# Altium PCB PCB1.PcbDoc (part 1 of 6) (continued)
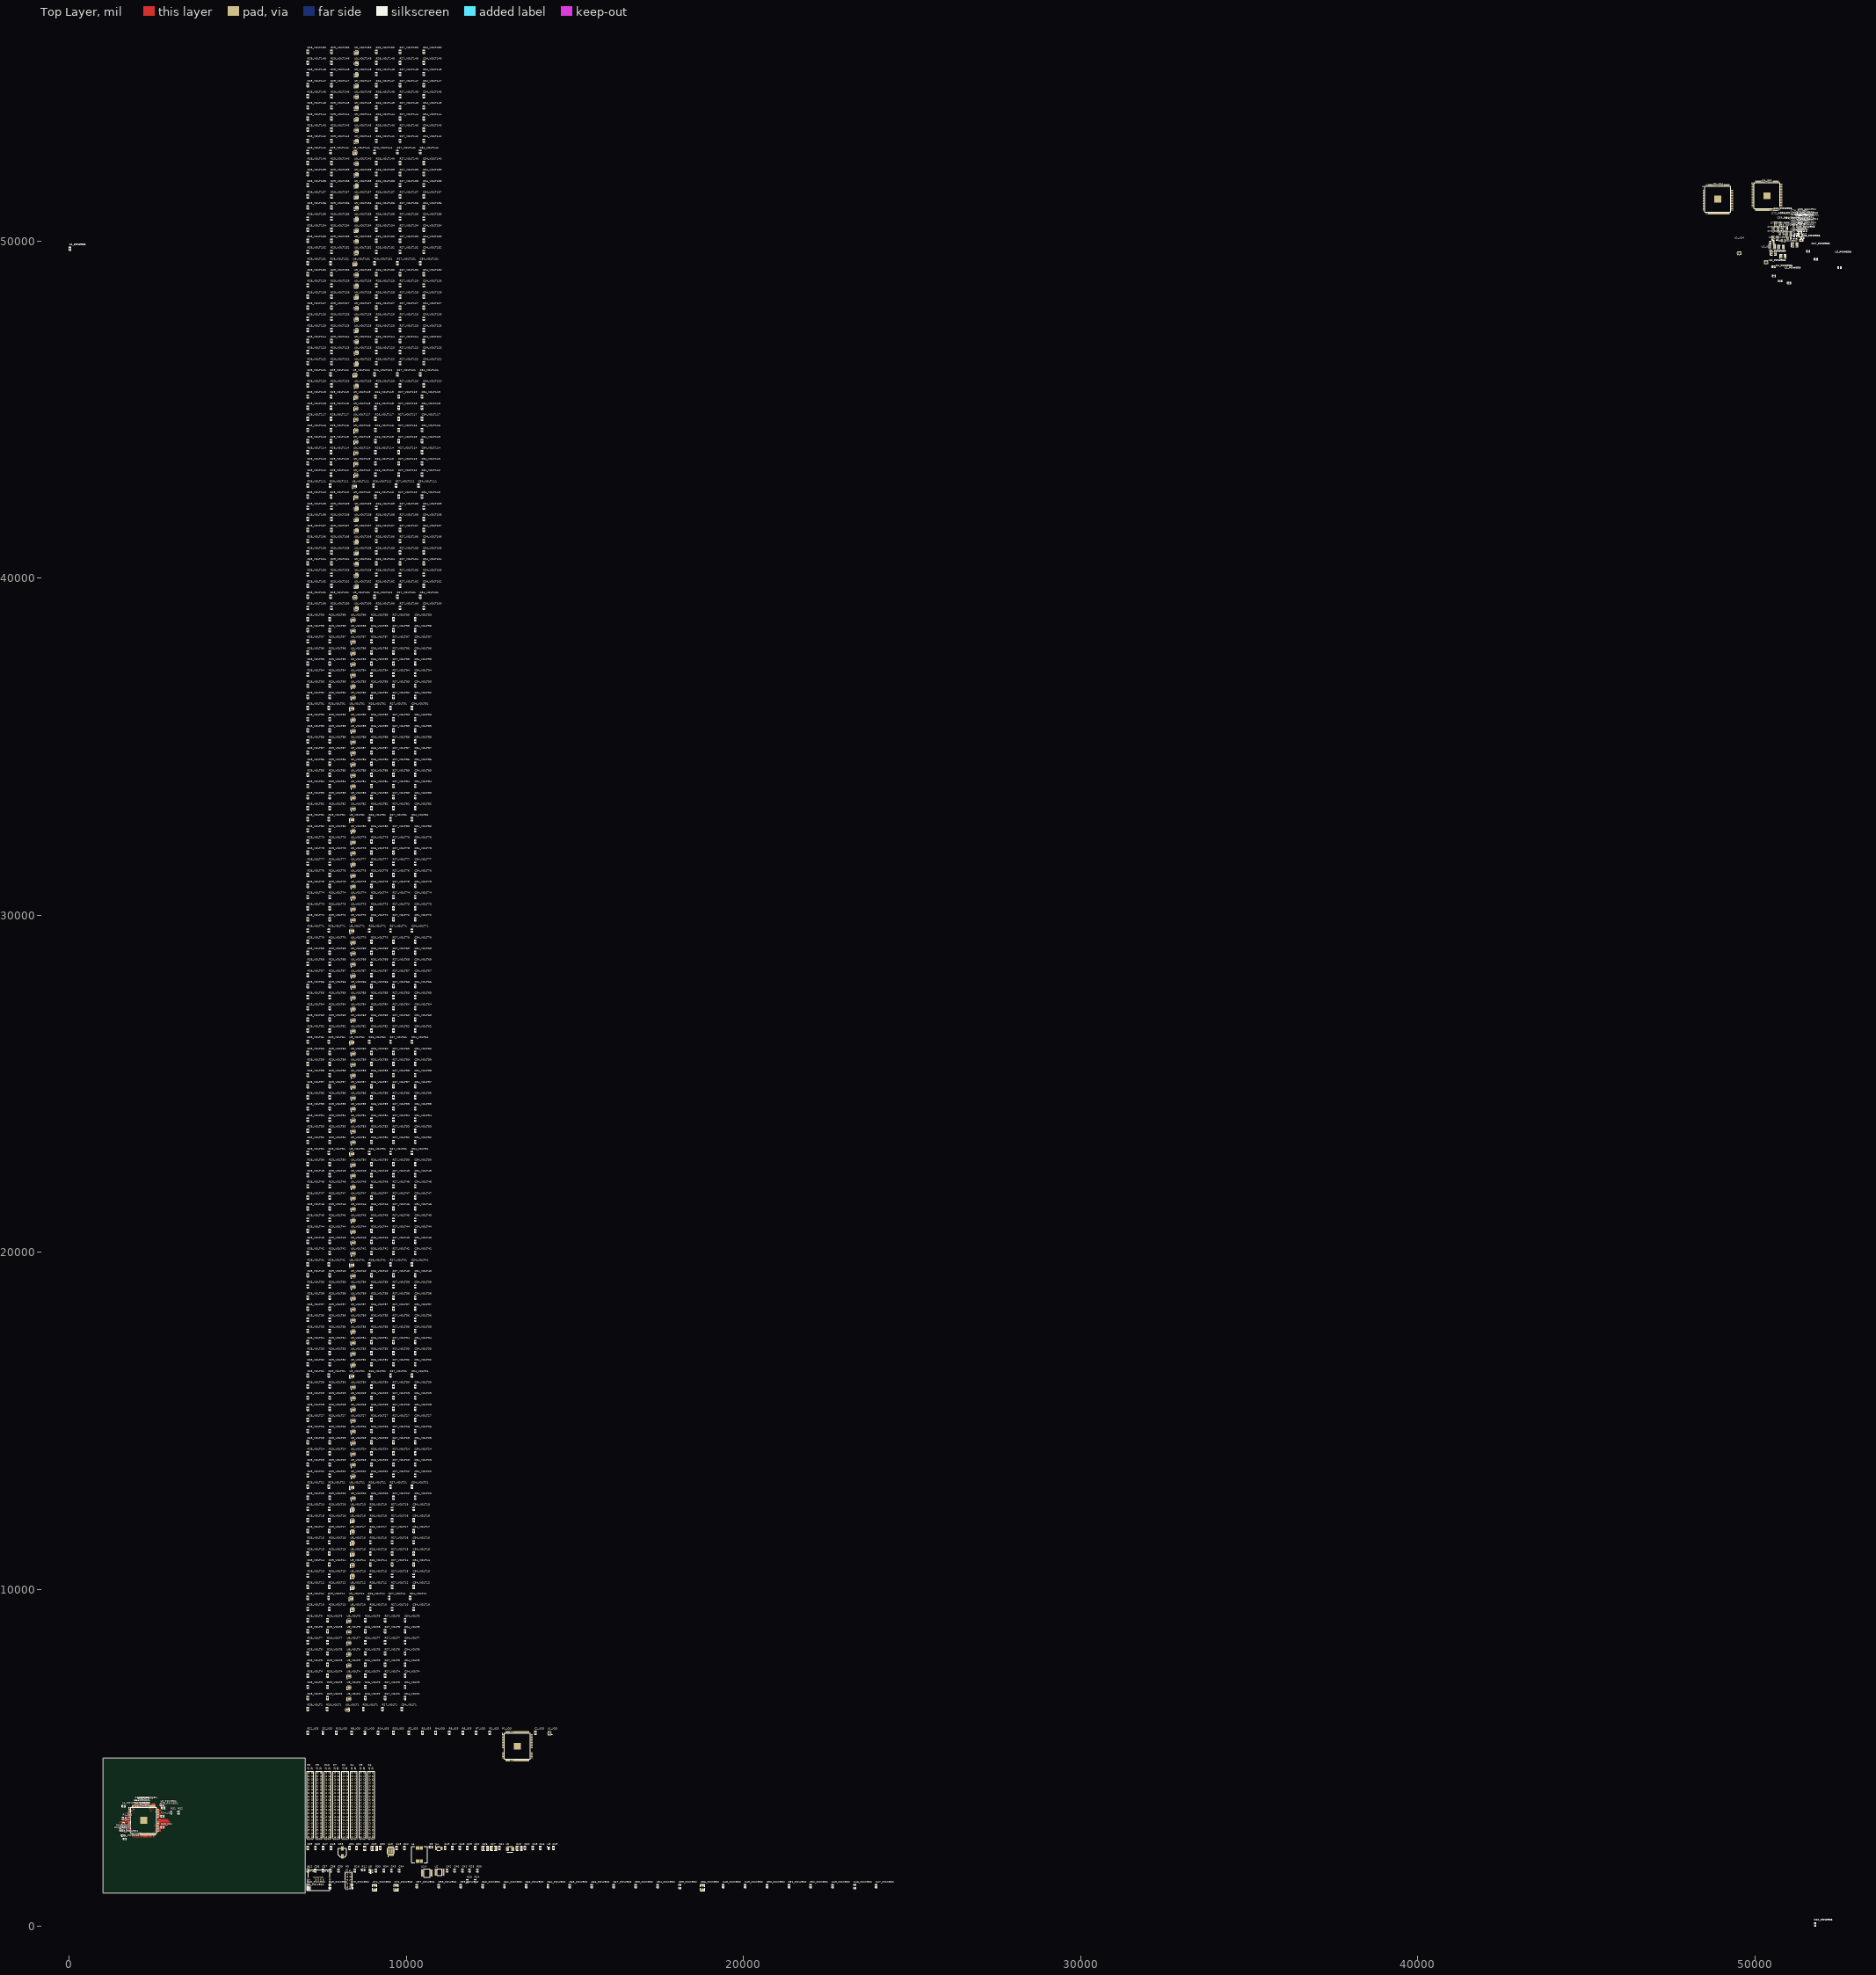
[diagram p0: Top Layer view]
## Design rules (kind name [scope] priority, off if disabled: settings) (continued)
RoomDefinition VOLT64 [InComponentClass('VOLT64')] p91: confinementstyle=ConfineIn formatcopy=TRUE lockcomponents=FALSE outline 7045,27135 10850,27135 10850,27415 7045,27415
RoomDefinition VOLT63 [InComponentClass('VOLT63')] p92: confinementstyle=ConfineIn formatcopy=TRUE lockcomponents=FALSE outline 7045,26805 10850,26805 10850,27085 7045,27085
RoomDefinition VOLT62 [InComponentClass('VOLT62')] p93: confinementstyle=ConfineIn formatcopy=TRUE lockcomponents=FALSE outline 7045,26475 10850,26475 10850,26755 7045,26755
RoomDefinition VOLT61 [InComponentClass('VOLT61')] p94: confinementstyle=ConfineIn formatcopy=TRUE lockcomponents=FALSE outline 7045,26145 10730,26145 10730,26425 7045,26425
RoomDefinition VOLT60 [InComponentClass('VOLT60')] p95: confinementstyle=ConfineIn formatcopy=TRUE lockcomponents=FALSE outline 7045,25815 10850,25815 10850,26095 7045,26095
RoomDefinition VOLT59 [InComponentClass('VOLT59')] p96: confinementstyle=ConfineIn formatcopy=TRUE lockcomponents=FALSE outline 7045,25485 10850,25485 10850,25765 7045,25765
RoomDefinition VOLT58 [InComponentClass('VOLT58')] p97: confinementstyle=ConfineIn formatcopy=TRUE lockcomponents=FALSE outline 7045,25155 10850,25155 10850,25435 7045,25435
RoomDefinition VOLT57 [InComponentClass('VOLT57')] p98: confinementstyle=ConfineIn formatcopy=TRUE lockcomponents=FALSE outline 7045,24825 10850,24825 10850,25105 7045,25105
RoomDefinition VOLT56 [InComponentClass('VOLT56')] p99: confinementstyle=ConfineIn formatcopy=TRUE lockcomponents=FALSE outline 7045,24495 10850,24495 10850,24775 7045,24775
RoomDefinition VOLT55 [InComponentClass('VOLT55')] p100: confinementstyle=ConfineIn formatcopy=TRUE lockcomponents=FALSE outline 7045,24165 10850,24165 10850,24445 7045,24445
RoomDefinition VOLT54 [InComponentClass('VOLT54')] p101: confinementstyle=ConfineIn formatcopy=TRUE lockcomponents=FALSE outline 7045,23835 10850,23835 10850,24115 7045,24115
RoomDefinition VOLT53 [InComponentClass('VOLT53')] p102: confinementstyle=ConfineIn formatcopy=TRUE lockcomponents=FALSE outline 7045,23505 10850,23505 10850,23785 7045,23785
RoomDefinition VOLT52 [InComponentClass('VOLT52')] p103: confinementstyle=ConfineIn formatcopy=TRUE lockcomponents=FALSE outline 7045,23175 10850,23175 10850,23455 7045,23455
RoomDefinition VOLT51 [InComponentClass('VOLT51')] p104: confinementstyle=ConfineIn formatcopy=TRUE lockcomponents=FALSE outline 7045,22845 10730,22845 10730,23125 7045,23125
RoomDefinition VOLT50 [InComponentClass('VOLT50')] p105: confinementstyle=ConfineIn formatcopy=TRUE lockcomponents=FALSE outline 7045,22515 10850,22515 10850,22795 7045,22795
RoomDefinition VOLT49 [InComponentClass('VOLT49')] p106: confinementstyle=ConfineIn formatcopy=TRUE lockcomponents=FALSE outline 7045,22185 10850,22185 10850,22465 7045,22465
RoomDefinition VOLT48 [InComponentClass('VOLT48')] p107: confinementstyle=ConfineIn formatcopy=TRUE lockcomponents=FALSE outline 7045,21855 10850,21855 10850,22135 7045,22135
RoomDefinition VOLT47 [InComponentClass('VOLT47')] p108: confinementstyle=ConfineIn formatcopy=TRUE lockcomponents=FALSE outline 7045,21525 10850,21525 10850,21805 7045,21805
RoomDefinition VOLT46 [InComponentClass('VOLT46')] p109: confinementstyle=ConfineIn formatcopy=TRUE lockcomponents=FALSE outline 7045,21195 10850,21195 10850,21475 7045,21475
RoomDefinition VOLT45 [InComponentClass('VOLT45')] p110: confinementstyle=ConfineIn formatcopy=TRUE lockcomponents=FALSE outline 7045,20865 10850,20865 10850,21145 7045,21145
RoomDefinition VOLT44 [InComponentClass('VOLT44')] p111: confinementstyle=ConfineIn formatcopy=TRUE lockcomponents=FALSE outline 7045,20535 10850,20535 10850,20815 7045,20815
RoomDefinition VOLT43 [InComponentClass('VOLT43')] p112: confinementstyle=ConfineIn formatcopy=TRUE lockcomponents=FALSE outline 7045,20205 10850,20205 10850,20485 7045,20485
RoomDefinition VOLT42 [InComponentClass('VOLT42')] p113: confinementstyle=ConfineIn formatcopy=TRUE lockcomponents=FALSE outline 7045,19875 10850,19875 10850,20155 7045,20155
RoomDefinition VOLT41 [InComponentClass('VOLT41')] p114: confinementstyle=ConfineIn formatcopy=TRUE lockcomponents=FALSE outline 7045,19545 10730,19545 10730,19825 7045,19825
RoomDefinition VOLT40 [InComponentClass('VOLT40')] p115: confinementstyle=ConfineIn formatcopy=TRUE lockcomponents=FALSE outline 7045,19215 10850,19215 10850,19495 7045,19495
RoomDefinition VOLT39 [InComponentClass('VOLT39')] p116: confinementstyle=ConfineIn formatcopy=TRUE lockcomponents=FALSE outline 7045,18885 10850,18885 10850,19165 7045,19165
RoomDefinition VOLT38 [InComponentClass('VOLT38')] p117: confinementstyle=ConfineIn formatcopy=TRUE lockcomponents=FALSE outline 7045,18555 10850,18555 10850,18835 7045,18835
RoomDefinition VOLT37 [InComponentClass('VOLT37')] p118: confinementstyle=ConfineIn formatcopy=TRUE lockcomponents=FALSE outline 7045,18225 10850,18225 10850,18505 7045,18505
RoomDefinition VOLT36 [InComponentClass('VOLT36')] p119: confinementstyle=ConfineIn formatcopy=TRUE lockcomponents=FALSE outline 7045,17895 10850,17895 10850,18175 7045,18175
RoomDefinition VOLT35 [InComponentClass('VOLT35')] p120: confinementstyle=ConfineIn formatcopy=TRUE lockcomponents=FALSE outline 7045,17565 10850,17565 10850,17845 7045,17845
RoomDefinition VOLT34 [InComponentClass('VOLT34')] p121: confinementstyle=ConfineIn formatcopy=TRUE lockcomponents=FALSE outline 7045,17235 10850,17235 10850,17515 7045,17515
RoomDefinition VOLT33 [InComponentClass('VOLT33')] p122: confinementstyle=ConfineIn formatcopy=TRUE lockcomponents=FALSE outline 7045,16905 10850,16905 10850,17185 7045,17185
RoomDefinition VOLT32 [InComponentClass('VOLT32')] p123: confinementstyle=ConfineIn formatcopy=TRUE lockcomponents=FALSE outline 7045,16575 10850,16575 10850,16855 7045,16855
RoomDefinition VOLT31 [InComponentClass('VOLT31')] p124: confinementstyle=ConfineIn formatcopy=TRUE lockcomponents=FALSE outline 7045,16245 10730,16245 10730,16525 7045,16525
RoomDefinition VOLT30 [InComponentClass('VOLT30')] p125: confinementstyle=ConfineIn formatcopy=TRUE lockcomponents=FALSE outline 7045,15915 10850,15915 10850,16195 7045,16195
RoomDefinition VOLT29 [InComponentClass('VOLT29')] p126: confinementstyle=ConfineIn formatcopy=TRUE lockcomponents=FALSE outline 7045,15585 10850,15585 10850,15865 7045,15865
RoomDefinition VOLT28 [InComponentClass('VOLT28')] p127: confinementstyle=ConfineIn formatcopy=TRUE lockcomponents=FALSE outline 7045,15255 10850,15255 10850,15535 7045,15535
RoomDefinition VOLT27 [InComponentClass('VOLT27')] p128: confinementstyle=ConfineIn formatcopy=TRUE lockcomponents=FALSE outline 7045,14925 10850,14925 10850,15205 7045,15205
RoomDefinition VOLT26 [InComponentClass('VOLT26')] p129: confinementstyle=ConfineIn formatcopy=TRUE lockcomponents=FALSE outline 7045,14595 10850,14595 10850,14875 7045,14875
RoomDefinition VOLT25 [InComponentClass('VOLT25')] p130: confinementstyle=ConfineIn formatcopy=TRUE lockcomponents=FALSE outline 7045,14265 10850,14265 10850,14545 7045,14545
RoomDefinition VOLT24 [InComponentClass('VOLT24')] p131: confinementstyle=ConfineIn formatcopy=TRUE lockcomponents=FALSE outline 7045,13935 10850,13935 10850,14215 7045,14215
RoomDefinition VOLT23 [InComponentClass('VOLT23')] p132: confinementstyle=ConfineIn formatcopy=TRUE lockcomponents=FALSE outline 7045,13605 10850,13605 10850,13885 7045,13885
RoomDefinition VOLT22 [InComponentClass('VOLT22')] p133: confinementstyle=ConfineIn formatcopy=TRUE lockcomponents=FALSE outline 7045,13275 10850,13275 10850,13555 7045,13555
RoomDefinition VOLT21 [InComponentClass('VOLT21')] p134: confinementstyle=ConfineIn formatcopy=TRUE lockcomponents=FALSE outline 7045,12945 10730,12945 10730,13225 7045,13225
RoomDefinition VOLT20 [InComponentClass('VOLT20')] p135: confinementstyle=ConfineIn formatcopy=TRUE lockcomponents=FALSE outline 7045,12615 10850,12615 10850,12895 7045,12895
RoomDefinition VOLT19 [InComponentClass('VOLT19')] p136: confinementstyle=ConfineIn formatcopy=TRUE lockcomponents=FALSE outline 7045,12285 10790,12285 10790,12565 7045,12565
RoomDefinition VOLT18 [InComponentClass('VOLT18')] p137: confinementstyle=ConfineIn formatcopy=TRUE lockcomponents=FALSE outline 7045,11955 10790,11955 10790,12235 7045,12235
RoomDefinition VOLT17 [InComponentClass('VOLT17')] p138: confinementstyle=ConfineIn formatcopy=TRUE lockcomponents=FALSE outline 7045,11625 10790,11625 10790,11905 7045,11905
RoomDefinition VOLT16 [InComponentClass('VOLT16')] p139: confinementstyle=ConfineIn formatcopy=TRUE lockcomponents=FALSE outline 7045,11295 10790,11295 10790,11575 7045,11575
RoomDefinition VOLT15 [InComponentClass('VOLT15')] p140: confinementstyle=ConfineIn formatcopy=TRUE lockcomponents=FALSE outline 7045,10965 10790,10965 10790,11245 7045,11245
RoomDefinition VOLT14 [InComponentClass('VOLT14')] p141: confinementstyle=ConfineIn formatcopy=TRUE lockcomponents=FALSE outline 7045,10635 10790,10635 10790,10915 7045,10915
RoomDefinition VOLT13 [InComponentClass('VOLT13')] p142: confinementstyle=ConfineIn formatcopy=TRUE lockcomponents=FALSE outline 7045,10305 10790,10305 10790,10585 7045,10585
RoomDefinition VOLT12 [InComponentClass('VOLT12')] p143: confinementstyle=ConfineIn formatcopy=TRUE lockcomponents=FALSE outline 7045,9975 10790,9975 10790,10255 7045,10255
RoomDefinition VOLT11 [InComponentClass('VOLT11')] p144: confinementstyle=ConfineIn formatcopy=TRUE lockcomponents=FALSE outline 7045,9645 10670,9645 10670,9925 7045,9925
RoomDefinition VOLT10 [InComponentClass('VOLT10')] p145: confinementstyle=ConfineIn formatcopy=TRUE lockcomponents=FALSE outline 7045,9315 10790,9315 10790,9595 7045,9595
RoomDefinition VOLT9 [InComponentClass('VOLT9')] p146: confinementstyle=ConfineIn formatcopy=TRUE lockcomponents=FALSE outline 7045,8985 10490,8985 10490,9265 7045,9265
RoomDefinition VOLT8 [InComponentClass('VOLT8')] p147: confinementstyle=ConfineIn formatcopy=TRUE lockcomponents=FALSE outline 7045,8655 10490,8655 10490,8935 7045,8935
RoomDefinition VOLT7 [InComponentClass('VOLT7')] p148: confinementstyle=ConfineIn formatcopy=TRUE lockcomponents=FALSE outline 7045,8325 10490,8325 10490,8605 7045,8605
RoomDefinition VOLT6 [InComponentClass('VOLT6')] p149: confinementstyle=ConfineIn formatcopy=TRUE lockcomponents=FALSE outline 7045,7995 10490,7995 10490,8275 7045,8275
RoomDefinition VOLT5 [InComponentClass('VOLT5')] p150: confinementstyle=ConfineIn formatcopy=TRUE lockcomponents=FALSE outline 7045,7665 10490,7665 10490,7945 7045,7945
RoomDefinition VOLT4 [InComponentClass('VOLT4')] p151: confinementstyle=ConfineIn formatcopy=TRUE lockcomponents=FALSE outline 7045,7335 10490,7335 10490,7615 7045,7615
RoomDefinition VOLT3 [InComponentClass('VOLT3')] p152: confinementstyle=ConfineIn formatcopy=TRUE lockcomponents=FALSE outline 7045,7005 10490,7005 10490,7285 7045,7285
RoomDefinition VOLT2 [InComponentClass('VOLT2')] p153: confinementstyle=ConfineIn formatcopy=TRUE lockcomponents=FALSE outline 7045,6675 10490,6675 10490,6955 7045,6955
RoomDefinition VOLT1 [InComponentClass('VOLT1')] p154: confinementstyle=ConfineIn formatcopy=TRUE lockcomponents=FALSE outline 7045,6345 10370,6345 10370,6625 7045,6625
RoomDefinition U_VoltageHeaders [InComponentClass('U_VoltageHeaders')] p155: confinementstyle=ConfineIn formatcopy=TRUE lockcomponents=FALSE outline 7045,2545 9070,2545 9070,4840 7045,4840
RoomDefinition U_POWER_VOLTAGE [InComponentClass('U_POWER_VOLTAGE')] p156: confinementstyle=ConfineIn formatcopy=TRUE lockcomponents=FALSE outline 7045,1875 14515,1875 14515,2495 7045,2495
RoomDefinition TOP_VOLTAGE [InComponentClass('TOP_VOLTAGE')] p157: confinementstyle=ConfineIn formatcopy=TRUE lockcomponents=FALSE outline 7045,1060 12730,1060 12730,1825 7045,1825
RoomDefinition IO3 [InComponentClass('IO3')] p158: confinementstyle=ConfineIn formatcopy=TRUE lockcomponents=FALSE outline 7045,4885 14540,4885 14540,5925 7045,5925
RoutingVias [All] p1: holewidth=12 width=24 viastyle="Through Hole" minholewidth=12 minwidth=24 maxholewidth=28 maxwidth=50
SolderMaskExpansion [All] p1: expansion=4 istentingtop=FALSE
Width [All] p1: maxlimit=15 minlimit=7 preferedwidth=7 minimp=50.000000 maximp=50.000000 favimp=50.000000
29 further rules are at their usual default settings.

## Classes and differential pairs
net class V_OUT_[300..1]: V_OUT_151 V_OUT_152 V_OUT_153 V_OUT_154 V_OUT_155 V_OUT_156 V_OUT_157 V_OUT_158 V_OUT_159 V_OUT_160 V_OUT_161 V_OUT_162 V_OUT_163 V_OUT_164 V_OUT_165 V_OUT_166 V_OUT_167 V_OUT_168 V_OUT_169 V_OUT_170 V_OUT_171 V_OUT_172 V_OUT_173 V_OUT_174 V_OUT_175 V_OUT_176 V_OUT_177 V_OUT_178 V_OUT_179 V_OUT_180 V_OUT_181 V_OUT_182 V_OUT_183 V_OUT_184 V_OUT_185 V_OUT_186 V_OUT_187 V_OUT_188 V_OUT_189 V_OUT_190 V_OUT_191 V_OUT_192 V_OUT_193 V_OUT_194 V_OUT_195 V_OUT_196 V_OUT_197 V_OUT_198 V_OUT_199 V_OUT_200 V_OUT_201 V_OUT_202 V_OUT_203 V_OUT_204 V_OUT_205 V_OUT_206 V_OUT_207 V_OUT_208 V_OUT_209 V_OUT_210 V_OUT_211 V_OUT_212 V_OUT_213 V_OUT_214 V_OUT_215 V_OUT_216 V_OUT_217 V_OUT_218 V_OUT_219 V_OUT_220 V_OUT_221 V_OUT_222 V_OUT_223 V_OUT_224 V_OUT_225 V_OUT_226 V_OUT_227 V_OUT_228 V_OUT_229 V_OUT_230 V_OUT_231 V_OUT_232 V_OUT_233 V_OUT_234 V_OUT_235 V_OUT_236 V_OUT_237 V_OUT_238 V_OUT_239 V_OUT_240 V_OUT_241 V_OUT_242 V_OUT_243 V_OUT_244 V_OUT_245 V_OUT_246 V_OUT_247 V_OUT_248 V_OUT_249 V_OUT_250 V_OUT_251 V_OUT_252 V_OUT_253 V_OUT_254 V_OUT_255 V_OUT_256 V_OUT_257 V_OUT_258 V_OUT_259 V_OUT_260 V_OUT_261 V_OUT_262 V_OUT_263 V_OUT_264 V_OUT_265 V_OUT_266 V_OUT_267 V_OUT_268 V_OUT_269 V_OUT_270 V_OUT_271 V_OUT_272 V_OUT_273 V_OUT_274 V_OUT_275 V_OUT_276 V_OUT_277 V_OUT_278 V_OUT_279 V_OUT_280 V_OUT_281 V_OUT_282 V_OUT_283 V_OUT_284 V_OUT_285 V_OUT_286 V_OUT_287 V_OUT_288 V_OUT_289 V_OUT_290 V_OUT_291 V_OUT_292 V_OUT_293 V_OUT_294 V_OUT_295 V_OUT_296 V_OUT_297 V_OUT_298 V_OUT_299 V_OUT_300
channel class VoltageAmplifier: VOLT1 VOLT2 VOLT3 VOLT4 VOLT5 VOLT6 VOLT7 VOLT8 VOLT9 VOLT10 VOLT11 VOLT12 VOLT13 VOLT14 VOLT15 VOLT16 VOLT17 VOLT18 VOLT19 VOLT20 VOLT21 VOLT22 VOLT23 VOLT24 VOLT25 VOLT26 VOLT27 VOLT28 VOLT29 VOLT30 VOLT31 VOLT32 VOLT33 VOLT34 VOLT35 VOLT36 VOLT37 VOLT38 VOLT39 VOLT40 VOLT41 VOLT42 VOLT43 VOLT44 VOLT45 VOLT46 VOLT47 VOLT48 VOLT49 VOLT50 VOLT51 VOLT52 VOLT53 VOLT54 VOLT55 VOLT56 VOLT57 VOLT58 VOLT59 VOLT60 VOLT61 VOLT62 VOLT63 VOLT64 VOLT65 VOLT66 VOLT67 VOLT68 VOLT69 VOLT70 VOLT71 VOLT72 VOLT73 VOLT74 VOLT75 VOLT76 VOLT77 VOLT78 VOLT79 VOLT80 VOLT81 VOLT82 VOLT83 VOLT84 VOLT85 VOLT86 VOLT87 VOLT88 VOLT89 VOLT90 VOLT91 VOLT92 VOLT93 VOLT94 VOLT95 VOLT96 VOLT97 VOLT98 VOLT99 VOLT100 VOLT101 VOLT102 VOLT103 VOLT104 VOLT105 VOLT106 VOLT107 VOLT108 VOLT109 VOLT110 VOLT111 VOLT112 VOLT113 VOLT114 VOLT115 VOLT116 VOLT117 VOLT118 VOLT119 VOLT120 VOLT121 VOLT122 VOLT123 VOLT124 VOLT125 VOLT126 VOLT127 VOLT128 VOLT129 VOLT130 VOLT131 VOLT132 VOLT133 VOLT134 VOLT135 VOLT136 VOLT137 VOLT138 VOLT139 VOLT140 VOLT141 VOLT142 VOLT143 VOLT144 VOLT145 VOLT146 VOLT147 VOLT148 VOLT149 VOLT150
channel class MAX10: F11 F12 F13 F14
channel class FPGA_POWER: POWER1 POWER2 POWER3 POWER4
channel class FPGA_IO: IO1 IO2 IO3 IO4
component class VOLT150: C34_VOLT150 R26_VOLT150 R27_VOLT150 R28_VOLT150 R29_VOLT150 U9_VOLT150
component class VOLT149: C34_VOLT149 R26_VOLT149 R27_VOLT149 R28_VOLT149 R29_VOLT149 U9_VOLT149
component class VOLT148: C34_VOLT148 R26_VOLT148 R27_VOLT148 R28_VOLT148 R29_VOLT148 U9_VOLT148
component class VOLT147: C34_VOLT147 R26_VOLT147 R27_VOLT147 R28_VOLT147 R29_VOLT147 U9_VOLT147
component class VOLT146: C34_VOLT146 R26_VOLT146 R27_VOLT146 R28_VOLT146 R29_VOLT146 U9_VOLT146
component class VOLT145: C34_VOLT145 R26_VOLT145 R27_VOLT145 R28_VOLT145 R29_VOLT145 U9_VOLT145
component class VOLT144: C34_VOLT144 R26_VOLT144 R27_VOLT144 R28_VOLT144 R29_VOLT144 U9_VOLT144
component class VOLT143: C34_VOLT143 R26_VOLT143 R27_VOLT143 R28_VOLT143 R29_VOLT143 U9_VOLT143
component class VOLT142: C34_VOLT142 R26_VOLT142 R27_VOLT142 R28_VOLT142 R29_VOLT142 U9_VOLT142
component class VOLT141: C34_VOLT141 R26_VOLT141 R27_VOLT141 R28_VOLT141 R29_VOLT141 U9_VOLT141
component class VOLT140: C34_VOLT140 R26_VOLT140 R27_VOLT140 R28_VOLT140 R29_VOLT140 U9_VOLT140
component class VOLT139: C34_VOLT139 R26_VOLT139 R27_VOLT139 R28_VOLT139 R29_VOLT139 U9_VOLT139
component class VOLT138: C34_VOLT138 R26_VOLT138 R27_VOLT138 R28_VOLT138 R29_VOLT138 U9_VOLT138
component class VOLT137: C34_VOLT137 R26_VOLT137 R27_VOLT137 R28_VOLT137 R29_VOLT137 U9_VOLT137
component class VOLT136: C34_VOLT136 R26_VOLT136 R27_VOLT136 R28_VOLT136 R29_VOLT136 U9_VOLT136
component class VOLT135: C34_VOLT135 R26_VOLT135 R27_VOLT135 R28_VOLT135 R29_VOLT135 U9_VOLT135
component class VOLT134: C34_VOLT134 R26_VOLT134 R27_VOLT134 R28_VOLT134 R29_VOLT134 U9_VOLT134
component class VOLT133: C34_VOLT133 R26_VOLT133 R27_VOLT133 R28_VOLT133 R29_VOLT133 U9_VOLT133
component class VOLT132: C34_VOLT132 R26_VOLT132 R27_VOLT132 R28_VOLT132 R29_VOLT132 U9_VOLT132
component class VOLT131: C34_VOLT131 R26_VOLT131 R27_VOLT131 R28_VOLT131 R29_VOLT131 U9_VOLT131
component class VOLT130: C34_VOLT130 R26_VOLT130 R27_VOLT130 R28_VOLT130 R29_VOLT130 U9_VOLT130
component class VOLT129: C34_VOLT129 R26_VOLT129 R27_VOLT129 R28_VOLT129 R29_VOLT129 U9_VOLT129
component class VOLT128: C34_VOLT128 R26_VOLT128 R27_VOLT128 R28_VOLT128 R29_VOLT128 U9_VOLT128
component class VOLT127: C34_VOLT127 R26_VOLT127 R27_VOLT127 R28_VOLT127 R29_VOLT127 U9_VOLT127
component class VOLT126: C34_VOLT126 R26_VOLT126 R27_VOLT126 R28_VOLT126 R29_VOLT126 U9_VOLT126
component class VOLT125: C34_VOLT125 R26_VOLT125 R27_VOLT125 R28_VOLT125 R29_VOLT125 U9_VOLT125
component class VOLT124: C34_VOLT124 R26_VOLT124 R27_VOLT124 R28_VOLT124 R29_VOLT124 U9_VOLT124
component class VOLT123: C34_VOLT123 R26_VOLT123 R27_VOLT123 R28_VOLT123 R29_VOLT123 U9_VOLT123
component class VOLT122: C34_VOLT122 R26_VOLT122 R27_VOLT122 R28_VOLT122 R29_VOLT122 U9_VOLT122
component class VOLT121: C34_VOLT121 R26_VOLT121 R27_VOLT121 R28_VOLT121 R29_VOLT121 U9_VOLT121
component class VOLT120: C34_VOLT120 R26_VOLT120 R27_VOLT120 R28_VOLT120 R29_VOLT120 U9_VOLT120
component class VOLT119: C34_VOLT119 R26_VOLT119 R27_VOLT119 R28_VOLT119 R29_VOLT119 U9_VOLT119
component class VOLT118: C34_VOLT118 R26_VOLT118 R27_VOLT118 R28_VOLT118 R29_VOLT118 U9_VOLT118
component class VOLT117: C34_VOLT117 R26_VOLT117 R27_VOLT117 R28_VOLT117 R29_VOLT117 U9_VOLT117
component class VOLT116: C34_VOLT116 R26_VOLT116 R27_VOLT116 R28_VOLT116 R29_VOLT116 U9_VOLT116
component class VOLT115: C34_VOLT115 R26_VOLT115 R27_VOLT115 R28_VOLT115 R29_VOLT115 U9_VOLT115
component class VOLT114: C34_VOLT114 R26_VOLT114 R27_VOLT114 R28_VOLT114 R29_VOLT114 U9_VOLT114
component class VOLT113: C34_VOLT113 R26_VOLT113 R27_VOLT113 R28_VOLT113 R29_VOLT113 U9_VOLT113
component class VOLT112: C34_VOLT112 R26_VOLT112 R27_VOLT112 R28_VOLT112 R29_VOLT112 U9_VOLT112
component class VOLT111: C34_VOLT111 R26_VOLT111 R27_VOLT111 R28_VOLT111 R29_VOLT111 U9_VOLT111
component class VOLT110: C34_VOLT110 R26_VOLT110 R27_VOLT110 R28_VOLT110 R29_VOLT110 U9_VOLT110
component class VOLT109: C34_VOLT109 R26_VOLT109 R27_VOLT109 R28_VOLT109 R29_VOLT109 U9_VOLT109
component class VOLT108: C34_VOLT108 R26_VOLT108 R27_VOLT108 R28_VOLT108 R29_VOLT108 U9_VOLT108
component class VOLT107: C34_VOLT107 R26_VOLT107 R27_VOLT107 R28_VOLT107 R29_VOLT107 U9_VOLT107
component class VOLT106: C34_VOLT106 R26_VOLT106 R27_VOLT106 R28_VOLT106 R29_VOLT106 U9_VOLT106
component class VOLT105: C34_VOLT105 R26_VOLT105 R27_VOLT105 R28_VOLT105 R29_VOLT105 U9_VOLT105
component class VOLT104: C34_VOLT104 R26_VOLT104 R27_VOLT104 R28_VOLT104 R29_VOLT104 U9_VOLT104
component class VOLT103: C34_VOLT103 R26_VOLT103 R27_VOLT103 R28_VOLT103 R29_VOLT103 U9_VOLT103
component class VOLT102: C34_VOLT102 R26_VOLT102 R27_VOLT102 R28_VOLT102 R29_VOLT102 U9_VOLT102
component class VOLT101: C34_VOLT101 R26_VOLT101 R27_VOLT101 R28_VOLT101 R29_VOLT101 U9_VOLT101
component class VOLT100: C34_VOLT100 R26_VOLT100 R27_VOLT100 R28_VOLT100 R29_VOLT100 U9_VOLT100
component class VOLT99: C34_VOLT99 R26_VOLT99 R27_VOLT99 R28_VOLT99 R29_VOLT99 U9_VOLT99
component class VOLT98: C34_VOLT98 R26_VOLT98 R27_VOLT98 R28_VOLT98 R29_VOLT98 U9_VOLT98
component class VOLT97: C34_VOLT97 R26_VOLT97 R27_VOLT97 R28_VOLT97 R29_VOLT97 U9_VOLT97
component class VOLT96: C34_VOLT96 R26_VOLT96 R27_VOLT96 R28_VOLT96 R29_VOLT96 U9_VOLT96
component class VOLT95: C34_VOLT95 R26_VOLT95 R27_VOLT95 R28_VOLT95 R29_VOLT95 U9_VOLT95
component class VOLT94: C34_VOLT94 R26_VOLT94 R27_VOLT94 R28_VOLT94 R29_VOLT94 U9_VOLT94
component class VOLT93: C34_VOLT93 R26_VOLT93 R27_VOLT93 R28_VOLT93 R29_VOLT93 U9_VOLT93
component class VOLT92: C34_VOLT92 R26_VOLT92 R27_VOLT92 R28_VOLT92 R29_VOLT92 U9_VOLT92
component class VOLT91: C34_VOLT91 R26_VOLT91 R27_VOLT91 R28_VOLT91 R29_VOLT91 U9_VOLT91
component class VOLT90: C34_VOLT90 R26_VOLT90 R27_VOLT90 R28_VOLT90 R29_VOLT90 U9_VOLT90
component class VOLT89: C34_VOLT89 R26_VOLT89 R27_VOLT89 R28_VOLT89 R29_VOLT89 U9_VOLT89
component class VOLT88: C34_VOLT88 R26_VOLT88 R27_VOLT88 R28_VOLT88 R29_VOLT88 U9_VOLT88
component class VOLT87: C34_VOLT87 R26_VOLT87 R27_VOLT87 R28_VOLT87 R29_VOLT87 U9_VOLT87
component class VOLT86: C34_VOLT86 R26_VOLT86 R27_VOLT86 R28_VOLT86 R29_VOLT86 U9_VOLT86
component class VOLT85: C34_VOLT85 R26_VOLT85 R27_VOLT85 R28_VOLT85 R29_VOLT85 U9_VOLT85
component class VOLT84: C34_VOLT84 R26_VOLT84 R27_VOLT84 R28_VOLT84 R29_VOLT84 U9_VOLT84
component class VOLT83: C34_VOLT83 R26_VOLT83 R27_VOLT83 R28_VOLT83 R29_VOLT83 U9_VOLT83
component class VOLT82: C34_VOLT82 R26_VOLT82 R27_VOLT82 R28_VOLT82 R29_VOLT82 U9_VOLT82
component class VOLT81: C34_VOLT81 R26_VOLT81 R27_VOLT81 R28_VOLT81 R29_VOLT81 U9_VOLT81
component class VOLT80: C34_VOLT80 R26_VOLT80 R27_VOLT80 R28_VOLT80 R29_VOLT80 U9_VOLT80
component class VOLT79: C34_VOLT79 R26_VOLT79 R27_VOLT79 R28_VOLT79 R29_VOLT79 U9_VOLT79
component class VOLT78: C34_VOLT78 R26_VOLT78 R27_VOLT78 R28_VOLT78 R29_VOLT78 U9_VOLT78
component class VOLT77: C34_VOLT77 R26_VOLT77 R27_VOLT77 R28_VOLT77 R29_VOLT77 U9_VOLT77
component class VOLT76: C34_VOLT76 R26_VOLT76 R27_VOLT76 R28_VOLT76 R29_VOLT76 U9_VOLT76
component class VOLT75: C34_VOLT75 R26_VOLT75 R27_VOLT75 R28_VOLT75 R29_VOLT75 U9_VOLT75
component class VOLT74: C34_VOLT74 R26_VOLT74 R27_VOLT74 R28_VOLT74 R29_VOLT74 U9_VOLT74
component class VOLT73: C34_VOLT73 R26_VOLT73 R27_VOLT73 R28_VOLT73 R29_VOLT73 U9_VOLT73
component class VOLT72: C34_VOLT72 R26_VOLT72 R27_VOLT72 R28_VOLT72 R29_VOLT72 U9_VOLT72
component class VOLT71: C34_VOLT71 R26_VOLT71 R27_VOLT71 R28_VOLT71 R29_VOLT71 U9_VOLT71
component class VOLT70: C34_VOLT70 R26_VOLT70 R27_VOLT70 R28_VOLT70 R29_VOLT70 U9_VOLT70
component class VOLT69: C34_VOLT69 R26_VOLT69 R27_VOLT69 R28_VOLT69 R29_VOLT69 U9_VOLT69
component class VOLT68: C34_VOLT68 R26_VOLT68 R27_VOLT68 R28_VOLT68 R29_VOLT68 U9_VOLT68
component class VOLT67: C34_VOLT67 R26_VOLT67 R27_VOLT67 R28_VOLT67 R29_VOLT67 U9_VOLT67
component class VOLT66: C34_VOLT66 R26_VOLT66 R27_VOLT66 R28_VOLT66 R29_VOLT66 U9_VOLT66
component class VOLT65: C34_VOLT65 R26_VOLT65 R27_VOLT65 R28_VOLT65 R29_VOLT65 U9_VOLT65
component class VOLT64: C34_VOLT64 R26_VOLT64 R27_VOLT64 R28_VOLT64 R29_VOLT64 U9_VOLT64
component class VOLT63: C34_VOLT63 R26_VOLT63 R27_VOLT63 R28_VOLT63 R29_VOLT63 U9_VOLT63
component class VOLT62: C34_VOLT62 R26_VOLT62 R27_VOLT62 R28_VOLT62 R29_VOLT62 U9_VOLT62
component class VOLT61: C34_VOLT61 R26_VOLT61 R27_VOLT61 R28_VOLT61 R29_VOLT61 U9_VOLT61
component class VOLT60: C34_VOLT60 R26_VOLT60 R27_VOLT60 R28_VOLT60 R29_VOLT60 U9_VOLT60
component class VOLT59: C34_VOLT59 R26_VOLT59 R27_VOLT59 R28_VOLT59 R29_VOLT59 U9_VOLT59
component class VOLT58: C34_VOLT58 R26_VOLT58 R27_VOLT58 R28_VOLT58 R29_VOLT58 U9_VOLT58
component class VOLT57: C34_VOLT57 R26_VOLT57 R27_VOLT57 R28_VOLT57 R29_VOLT57 U9_VOLT57
component class VOLT56: C34_VOLT56 R26_VOLT56 R27_VOLT56 R28_VOLT56 R29_VOLT56 U9_VOLT56
component class VOLT55: C34_VOLT55 R26_VOLT55 R27_VOLT55 R28_VOLT55 R29_VOLT55 U9_VOLT55
component class VOLT54: C34_VOLT54 R26_VOLT54 R27_VOLT54 R28_VOLT54 R29_VOLT54 U9_VOLT54
component class VOLT53: C34_VOLT53 R26_VOLT53 R27_VOLT53 R28_VOLT53 R29_VOLT53 U9_VOLT53
component class VOLT52: C34_VOLT52 R26_VOLT52 R27_VOLT52 R28_VOLT52 R29_VOLT52 U9_VOLT52
component class VOLT51: C34_VOLT51 R26_VOLT51 R27_VOLT51 R28_VOLT51 R29_VOLT51 U9_VOLT51
component class VOLT50: C34_VOLT50 R26_VOLT50 R27_VOLT50 R28_VOLT50 R29_VOLT50 U9_VOLT50
component class VOLT49: C34_VOLT49 R26_VOLT49 R27_VOLT49 R28_VOLT49 R29_VOLT49 U9_VOLT49
component class VOLT48: C34_VOLT48 R26_VOLT48 R27_VOLT48 R28_VOLT48 R29_VOLT48 U9_VOLT48
component class VOLT47: C34_VOLT47 R26_VOLT47 R27_VOLT47 R28_VOLT47 R29_VOLT47 U9_VOLT47
component class VOLT46: C34_VOLT46 R26_VOLT46 R27_VOLT46 R28_VOLT46 R29_VOLT46 U9_VOLT46
component class VOLT45: C34_VOLT45 R26_VOLT45 R27_VOLT45 R28_VOLT45 R29_VOLT45 U9_VOLT45
component class VOLT44: C34_VOLT44 R26_VOLT44 R27_VOLT44 R28_VOLT44 R29_VOLT44 U9_VOLT44
component class VOLT43: C34_VOLT43 R26_VOLT43 R27_VOLT43 R28_VOLT43 R29_VOLT43 U9_VOLT43
component class VOLT42: C34_VOLT42 R26_VOLT42 R27_VOLT42 R28_VOLT42 R29_VOLT42 U9_VOLT42
component class VOLT41: C34_VOLT41 R26_VOLT41 R27_VOLT41 R28_VOLT41 R29_VOLT41 U9_VOLT41
component class VOLT40: C34_VOLT40 R26_VOLT40 R27_VOLT40 R28_VOLT40 R29_VOLT40 U9_VOLT40
component class VOLT39: C34_VOLT39 R26_VOLT39 R27_VOLT39 R28_VOLT39 R29_VOLT39 U9_VOLT39
component class VOLT38: C34_VOLT38 R26_VOLT38 R27_VOLT38 R28_VOLT38 R29_VOLT38 U9_VOLT38
component class VOLT37: C34_VOLT37 R26_VOLT37 R27_VOLT37 R28_VOLT37 R29_VOLT37 U9_VOLT37
component class VOLT36: C34_VOLT36 R26_VOLT36 R27_VOLT36 R28_VOLT36 R29_VOLT36 U9_VOLT36
component class VOLT35: C34_VOLT35 R26_VOLT35 R27_VOLT35 R28_VOLT35 R29_VOLT35 U9_VOLT35
component class VOLT34: C34_VOLT34 R26_VOLT34 R27_VOLT34 R28_VOLT34 R29_VOLT34 U9_VOLT34
component class VOLT33: C34_VOLT33 R26_VOLT33 R27_VOLT33 R28_VOLT33 R29_VOLT33 U9_VOLT33
component class VOLT32: C34_VOLT32 R26_VOLT32 R27_VOLT32 R28_VOLT32 R29_VOLT32 U9_VOLT32
component class VOLT31: C34_VOLT31 R26_VOLT31 R27_VOLT31 R28_VOLT31 R29_VOLT31 U9_VOLT31
component class VOLT30: C34_VOLT30 R26_VOLT30 R27_VOLT30 R28_VOLT30 R29_VOLT30 U9_VOLT30
component class VOLT29: C34_VOLT29 R26_VOLT29 R27_VOLT29 R28_VOLT29 R29_VOLT29 U9_VOLT29
component class VOLT28: C34_VOLT28 R26_VOLT28 R27_VOLT28 R28_VOLT28 R29_VOLT28 U9_VOLT28
component class VOLT27: C34_VOLT27 R26_VOLT27 R27_VOLT27 R28_VOLT27 R29_VOLT27 U9_VOLT27
component class VOLT26: C34_VOLT26 R26_VOLT26 R27_VOLT26 R28_VOLT26 R29_VOLT26 U9_VOLT26
component class VOLT25: C34_VOLT25 R26_VOLT25 R27_VOLT25 R28_VOLT25 R29_VOLT25 U9_VOLT25
component class VOLT24: C34_VOLT24 R26_VOLT24 R27_VOLT24 R28_VOLT24 R29_VOLT24 U9_VOLT24
component class VOLT23: C34_VOLT23 R26_VOLT23 R27_VOLT23 R28_VOLT23 R29_VOLT23 U9_VOLT23
component class VOLT22: C34_VOLT22 R26_VOLT22 R27_VOLT22 R28_VOLT22 R29_VOLT22 U9_VOLT22
component class VOLT21: C34_VOLT21 R26_VOLT21 R27_VOLT21 R28_VOLT21 R29_VOLT21 U9_VOLT21
component class VOLT20: C34_VOLT20 R26_VOLT20 R27_VOLT20 R28_VOLT20 R29_VOLT20 U9_VOLT20
component class VOLT19: C34_VOLT19 R26_VOLT19 R27_VOLT19 R28_VOLT19 R29_VOLT19 U9_VOLT19
component class VOLT18: C34_VOLT18 R26_VOLT18 R27_VOLT18 R28_VOLT18 R29_VOLT18 U9_VOLT18
component class VOLT17: C34_VOLT17 R26_VOLT17 R27_VOLT17 R28_VOLT17 R29_VOLT17 U9_VOLT17
component class VOLT16: C34_VOLT16 R26_VOLT16 R27_VOLT16 R28_VOLT16 R29_VOLT16 U9_VOLT16
component class VOLT15: C34_VOLT15 R26_VOLT15 R27_VOLT15 R28_VOLT15 R29_VOLT15 U9_VOLT15
component class VOLT14: C34_VOLT14 R26_VOLT14 R27_VOLT14 R28_VOLT14 R29_VOLT14 U9_VOLT14
component class VOLT13: C34_VOLT13 R26_VOLT13 R27_VOLT13 R28_VOLT13 R29_VOLT13 U9_VOLT13
component class VOLT12: C34_VOLT12 R26_VOLT12 R27_VOLT12 R28_VOLT12 R29_VOLT12 U9_VOLT12
component class VOLT11: C34_VOLT11 R26_VOLT11 R27_VOLT11 R28_VOLT11 R29_VOLT11 U9_VOLT11
component class VOLT10: C34_VOLT10 R26_VOLT10 R27_VOLT10 R28_VOLT10 R29_VOLT10 U9_VOLT10
component class VOLT9: C34_VOLT9 R26_VOLT9 R27_VOLT9 R28_VOLT9 R29_VOLT9 U9_VOLT9
component class VOLT8: C34_VOLT8 R26_VOLT8 R27_VOLT8 R28_VOLT8 R29_VOLT8 U9_VOLT8
component class VOLT7: C34_VOLT7 R26_VOLT7 R27_VOLT7 R28_VOLT7 R29_VOLT7 U9_VOLT7
component class VOLT6: C34_VOLT6 R26_VOLT6 R27_VOLT6 R28_VOLT6 R29_VOLT6 U9_VOLT6
component class VOLT5: C34_VOLT5 R26_VOLT5 R27_VOLT5 R28_VOLT5 R29_VOLT5 U9_VOLT5
component class VOLT4: C34_VOLT4 R26_VOLT4 R27_VOLT4 R28_VOLT4 R29_VOLT4 U9_VOLT4
component class VOLT3: C34_VOLT3 R26_VOLT3 R27_VOLT3 R28_VOLT3 R29_VOLT3 U9_VOLT3
component class VOLT2: C34_VOLT2 R26_VOLT2 R27_VOLT2 R28_VOLT2 R29_VOLT2 U9_VOLT2
component class VOLT1: C34_VOLT1 R26_VOLT1 R27_VOLT1 R28_VOLT1 R29_VOLT1 U9_VOLT1
component class U_VoltageHeaders: P2 P4 P5 P6 P7 P8 P9 P10
component class U_POWER_VOLTAGE: C18 C19 C20 C21 C22 C25 C26 C27 C28 C29 C30 C31 C32 C33 C35 C63 D7 L5 L6 R9 R15 R16 R17 R18 R19 R22 R45 R47 R48 U3 U4 U15
component class TOP_VOLTAGE: C36 C37 C38 C39 C40 C41 C42 C43 C44 J1 P3 R10 R11 R12 R23 R24 R25 R30 R31 R32 R33 R34 U2 U8 U14
component class POWER4: C2_POWER4 C3_POWER4 C4_POWER4 C5_POWER4 C6_POWER4 C7_POWER4 C8_POWER4 C9_POWER4 C10_POWER4 C11_POWER4 C12_POWER4 C13_POWER4 C14_POWER4 C15_POWER4 C16_POWER4 C17_POWER4 C23_POWER4 C24_POWER4 C45_POWER4 C46_POWER4 C47_POWER4 C48_POWER4 C49_POWER4 C50_POWER4 C51_POWER4 C52_POWER4 C53_POWER4 C54_POWER4 C55_POWER4 C56_POWER4 C57_POWER4 C58_POWER4 C59_POWER4 C60_POWER4 C61_POWER4 C62_POWER4 C64_POWER4 C65_POWER4 C66_POWER4 C67_POWER4 C68_POWER4 C69_POWER4 C70_POWER4 C71_POWER4 C72_POWER4 L1_POWER4 L2_POWER4 L3_POWER4
component class POWER3: C2_POWER3 C3_POWER3 C4_POWER3 C5_POWER3 C6_POWER3 C7_POWER3 C8_POWER3 C9_POWER3 C10_POWER3 C11_POWER3 C12_POWER3 C13_POWER3 C14_POWER3 C15_POWER3 C16_POWER3 C17_POWER3 C23_POWER3 C24_POWER3 C45_POWER3 C46_POWER3 C47_POWER3 C48_POWER3 C49_POWER3 C50_POWER3 C51_POWER3 C52_POWER3 C53_POWER3 C54_POWER3 C55_POWER3 C56_POWER3 C57_POWER3 C58_POWER3 C59_POWER3 C60_POWER3 C61_POWER3 C62_POWER3 C64_POWER3 C65_POWER3 C66_POWER3 C67_POWER3 C68_POWER3 C69_POWER3 C70_POWER3 C71_POWER3 C72_POWER3 L1_POWER3 L2_POWER3 L3_POWER3
component class POWER2: C2_POWER2 C3_POWER2 C4_POWER2 C5_POWER2 C6_POWER2 C7_POWER2 C8_POWER2 C9_POWER2 C10_POWER2 C11_POWER2 C12_POWER2 C13_POWER2 C14_POWER2 C15_POWER2 C16_POWER2 C17_POWER2 C23_POWER2 C24_POWER2 C45_POWER2 C46_POWER2 C47_POWER2 C48_POWER2 C49_POWER2 C50_POWER2 C51_POWER2 C52_POWER2 C53_POWER2 C54_POWER2 C55_POWER2 C56_POWER2 C57_POWER2 C58_POWER2 C59_POWER2 C60_POWER2 C61_POWER2 C62_POWER2 C64_POWER2 C65_POWER2 C66_POWER2 C67_POWER2 C68_POWER2 C69_POWER2 C70_POWER2 C71_POWER2 C72_POWER2 L1_POWER2 L2_POWER2 L3_POWER2
component class POWER1: C2_POWER1 C3_POWER1 C4_POWER1 C5_POWER1 C6_POWER1 C7_POWER1 C8_POWER1 C9_POWER1 C10_POWER1 C11_POWER1 C12_POWER1 C13_POWER1 C14_POWER1 C15_POWER1 C16_POWER1 C17_POWER1 C23_POWER1 C24_POWER1 C45_POWER1 C46_POWER1 C47_POWER1 C48_POWER1 C49_POWER1 C50_POWER1 C51_POWER1 C52_POWER1 C53_POWER1 C54_POWER1 C55_POWER1 C56_POWER1 C57_POWER1 C58_POWER1 C59_POWER1 C60_POWER1 C61_POWER1 C62_POWER1 C64_POWER1 C65_POWER1 C66_POWER1 C67_POWER1 C68_POWER1 C69_POWER1 C70_POWER1 C71_POWER1 C72_POWER1 L1_POWER1 L2_POWER1 L3_POWER1
component class IO4: C1_IO4 D1_IO4 D2_IO4 P1_IO4 R1_IO4 R2_IO4 R3_IO4 R4_IO4 R5_IO4 R6_IO4 R7_IO4 R8_IO4 R13_IO4 R14_IO4 R20_IO4 R21_IO4 U1_IO4
component class IO3: C1_IO3 D1_IO3 D2_IO3 P1_IO3 R1_IO3 R2_IO3 R3_IO3 R4_IO3 R5_IO3 R6_IO3 R7_IO3 R8_IO3 R13_IO3 R14_IO3 R20_IO3 R21_IO3 U1_IO3
component class IO2: C1_IO2 D1_IO2 D2_IO2 P1_IO2 R1_IO2 R2_IO2 R3_IO2 R4_IO2 R5_IO2 R6_IO2 R7_IO2 R8_IO2 R13_IO2 R14_IO2 R20_IO2 R21_IO2 U1_IO2
component class IO1: C1_IO1 D1_IO1 D2_IO1 P1_IO1 R1_IO1 R2_IO1 R3_IO1 R4_IO1 R5_IO1 R6_IO1 R7_IO1 R8_IO1 R13_IO1 R14_IO1 R20_IO1 R21_IO1 U1_IO1

## Components (designator, comment, footprint, x,y, rotation, side; value= is the part's Value field where it differs from the comment)
C1_IO1 "0.1uF/16V" 0603C 1550,3027.56 r90 bottom (schematic designator C1)
C1_IO2 "0.1uF/16V" 0603C 51335.5,50327.5 r0 top (schematic designator C1)
C1_IO3 "0.1uF/16V" 0603C 13830,5755 r90 top (schematic designator C1)
C1_IO4 "0.1uF/16V" 0603C 51335.5,50327.5 r0 top (schematic designator C1)
C2_POWER1 "0.01uF/16V" 0603C 1620,3550 r0 bottom (schematic designator C2)
C2_POWER2 "0.01uF/16V" 0603C 50569.5,48979.5 r0 top (schematic designator C2)
C2_POWER3 "0.01uF/16V" 0603C 50569.5,48979.5 r0 top (schematic designator C2)
C2_POWER4 "0.01uF/16V" 0603C 50569.5,48979.5 r0 top (schematic designator C2)
C3_POWER1 "0.01uF/16V" 0603C 2435,3470 r270 bottom (schematic designator C3)
C3_POWER2 "0.01uF/16V" 0603C 50564.5,49249.5 r0 top (schematic designator C3)